# Altium PCB Board_Design.PcbDoc (part 3 of 3)
Units mil, origin at the board's own origin, x right, y up, seen from the top; angles counter-clockwise.
Board outline 5510 x 2520.05 mil, 4 copper layers (Top Layer, Power, Ground, Bottom Layer); 256 components, 212 nets, 1057 pads, 340 vias.
Unrouted connection lines stored in the file: 290.
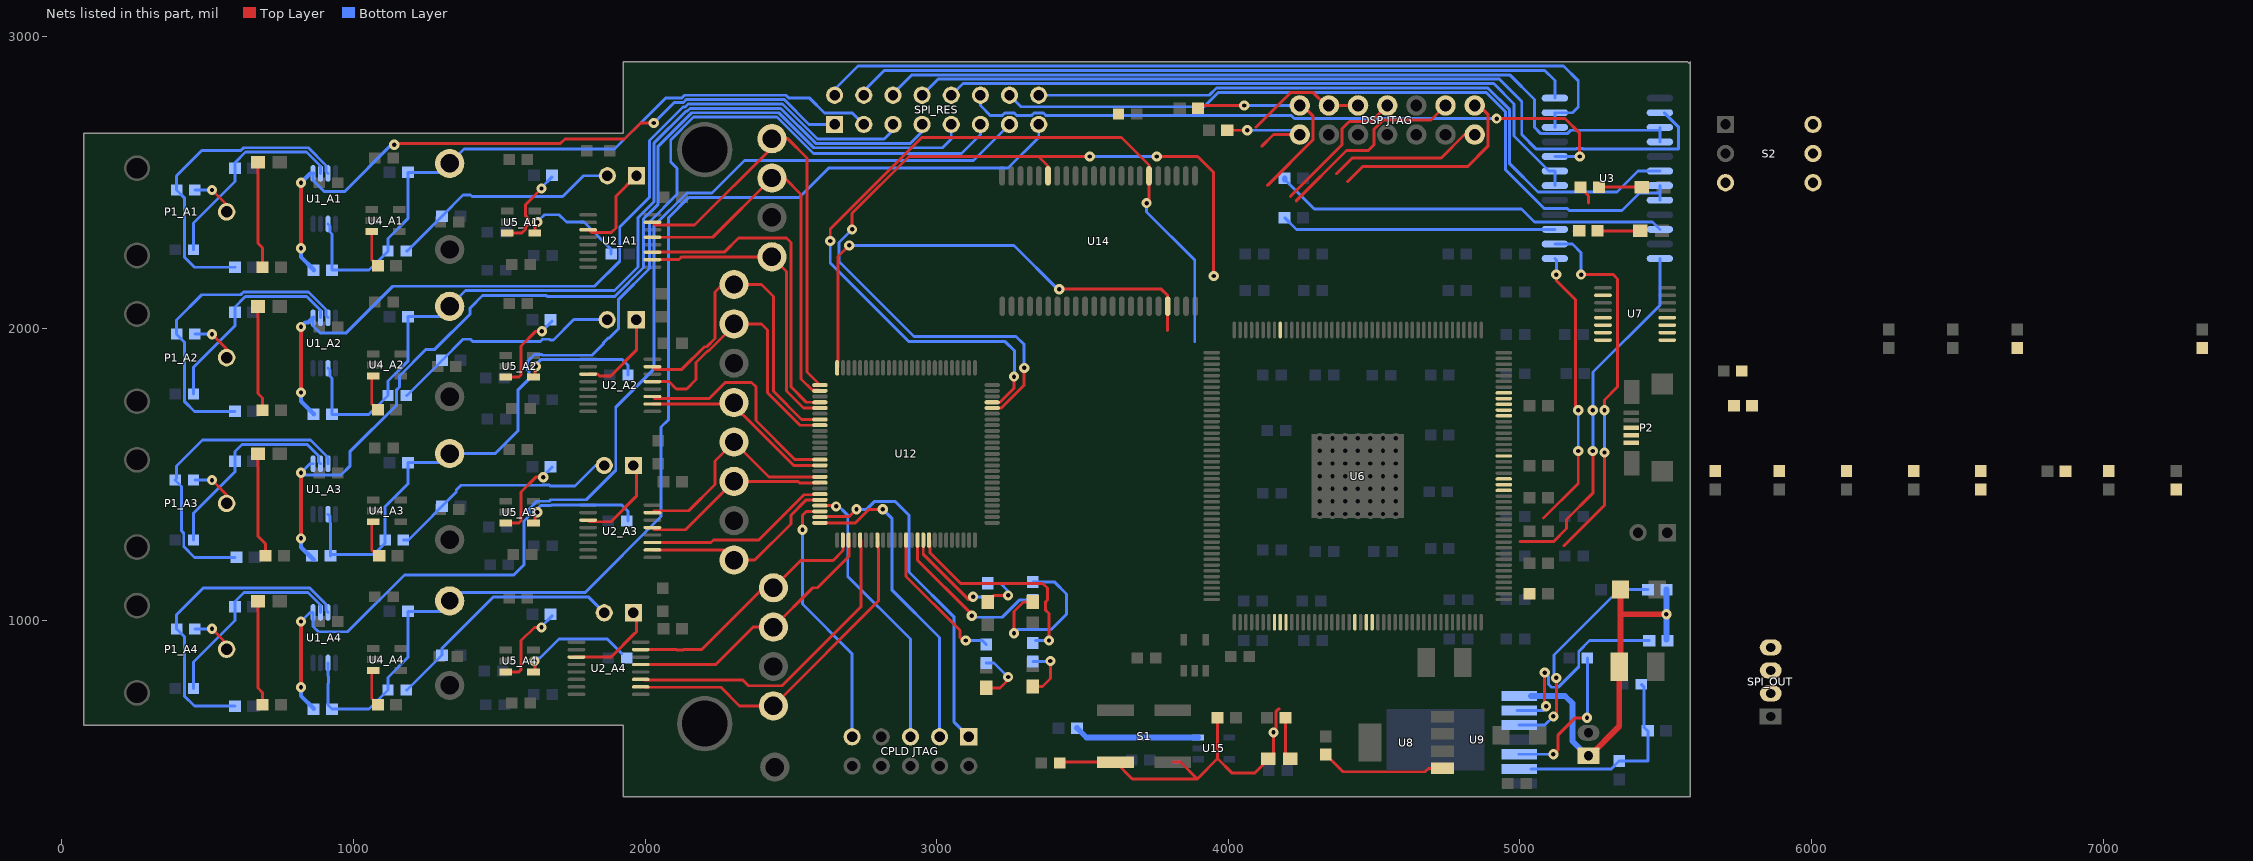
[diagram p5: the nets of this part, all layers, seen from the top]

## Via types
v1: diameter 35, hole 15, Top Layer to Bottom Layer, tented both sides, 339 vias
v2: diameter 35, hole 15, Top Layer to Bottom Layer, tented top, 1 vias

## Nets (pads, with @x,y where several pads share a name; then routed paths per layer and width w, separated by ;. In a path a pad name is that pad's centre, name@x,y a point inside that pad or via, vN(x,y) a via of type N, cw(c..) or ccw(c..) an arc to the next point about the centre after c; other vN are vias at no path point) (continued)
E\M\_\0\E\: U12.100 U14.41 | length 1720.4
  Top Layer w10: U12.100@2658.78,1865.28 2661.57,1868.07 2661.57,2246.57 v1(2700,2285) ; v1(3420,2135) 3770,2135 3792.22,2112.78 U14.41@3792.22,2076.5 3792.22,1992.78
  Bottom Layer w10: v1(2700,2285) 3265,2285 3415,2135 v1(3420,2135)
E\M\_\C\S\2\: U6.70 U12.72 U14.6 | length 3033.4
  Top Layer w10: v1(2635,2300) 2635,2341.21 2948.79,2655 3633.94,2655 3728.23,2560.71 U14.6@3728.23,2523.5 v1@3728.23,2430 ; U12.72@3190.28,1747.17 3217.17,1747.17 3265,1795 v1(3265,1835)
  Bottom Layer w10: v1(2635,2300) 2635,2225 2905,1955 3235,1955 3267.5,1922.5 3267.5,1837.5 v1(3265,1835) ; v1(3720,2430) 3720,2400 3885,2235 3885,1955
E\M\_\W\E\: U6.66 U12.71 U14.17 | length 2996.5
  Top Layer w10: v1(2710,2340) 2710,2395 2905,2590 3348.94,2590 ; U12.71@3190.28,1727.48 3221.27,1727.48 3300,1806.21 v1(3300,1865) ; U14.17@3381.77,2523.5 3381.77,2557.17 3348.94,2590 ; v1(3525,2590) 3348.94,2590 ; v1(3755,2590) 3895,2590 3950,2535 v1(3950,2180)
  Bottom Layer w10: v1(2710,2340) 2665,2295 2665,2230 2922.5,1972.5 3272.5,1972.5 3300,1945 v1(3300,1865) ; v1(3525,2590) v1(3755,2590)
EMU0: "DSP JTAG.13" R25.2 | length 715
  Top Layer w10: R25.2@3896.5,2755 3906.5,2765 v1(4055,2765) ; 4135,2491.36 4290,2646.36 4290,2730 4255,2765 4245,2765
  Bottom Layer w10: v1(4055,2765) 4245,2765
EMU1: "DSP JTAG.14" R26.2 | length 401.3
  Top Layer w10: R26.2@3996.5,2680 v1(4065,2680) ; 4115,2625 4155,2665 4245,2665
  Bottom Layer w10: v1(4065,2680) 4230,2680 4245,2665
EOC_1: U2_A1.11 U12.4 | length 1117.5
  Top Layer w10: U2_A1.11@2025.24,2261.83 2271.83,2261.83 2320,2310 2485,2310 2500,2295 2500,1800 2552.83,1747.17 U12.4@2599.72,1747.17
EOC_2: U2_A2.11 U12.14 | length 777.1
  Top Layer w10: U2_A2.11@2025.24,1766.83 2032.06,1760 2220,1760 2275,1815 2365,1815 2380,1800 2380,1685 2514.68,1550.32 U12.14@2599.72,1550.32
EOC_3: U2_A3.11 U12.20 | length 642.3
  Top Layer w10: U2_A3.11@2025.24,1266.32 2226.32,1266.32 2235,1275 2390,1275 2545,1430 U12.20@2599.72,1430
EOC_4: U2_A4.11 U12.30 | length 1091
  Top Layer w10: U2_A4.11@1998.85,795 2335,795 2355,775 2470,775 2740,1045 U12.30@2740,1274.72
NetC2_A1_2: C2_A1.2 R1_A1.2 U1_A1.2 | length 711.1
  Bottom Layer w10: C2_A1.2@451.5,2270.21 451.5,2361.71 593.5,2503.72 R1_A1.2@593.5,2550.21 593.5,2568.72 629.79,2605 839.17,2605 887.2,2556.97 U1_A1.2@887.2,2531.83
NetC2_A2_2: C2_A2.2 R1_A2.2 U1_A2.2 | length 710.7
  Bottom Layer w10: C2_A2.2@451.5,1775.73 451.5,1867.22 593.5,2009.23 R1_A2.2@593.5,2055.73 593.5,2074.23 629.27,2110 839.69,2110 887.2,2062.48 U1_A2.2@887.2,2037.34
NetC2_A3_2: C2_A3.2 R1_A3.2 U1_A3.2 | length 705.6
  Bottom Layer w10: C2_A3.2@451.5,1275.21 451.5,1366.5 593.5,1508.5 R1_A3.2@593.5,1545.21 593.5,1578.72 617.5,1602.71 841.57,1602.71 880.47,1563.81 880.47,1543.05 U1_A3.2@887.2,1536.32
NetC2_A4_2: C2_A4.2 R1_A4.2 U1_A4.2 | length 706.9
  Bottom Layer w10: C2_A4.2@451.5,765.21 451.5,856.71 593.5,998.72 R1_A4.2@593.5,1045.21 593.5,1063.72 624.79,1095 844.17,1095 887.2,1051.97 U1_A4.2@887.2,1026.83
NetC3_A1_1: C3_A1.1 P1_A1.1 | length 154.2
  Top Layer w10: v1(515,2475.21) 565,2425.21 P1_A1.1@565,2400.21
  Bottom Layer w10: C3_A1.1@456.5,2475.21 v1(515,2475.21)
NetC3_A1_2: C3_A1.2 R2_A1.1 U1_A1.3 | length 1085.3
  Bottom Layer w10: R2_A1.1@593.5,2210.21 455,2210.21 420,2245.21 420,2448.72 C3_A1.2@393.5,2475.21 393.5,2523.72 480,2610.21 613.79,2610.21 623.57,2620 845.39,2620 906.06,2559.32 906.06,2538.56 U1_A1.3@912.8,2531.83
NetC3_A2_1: C3_A2.1 P1_A2.1 | length 154.2
  Top Layer w10: v1(515,1980.73) 565,1930.73 P1_A2.1@565,1905.73
  Bottom Layer w10: C3_A2.1@456.5,1980.73 v1(515,1980.73)
NetC3_A2_2: C3_A2.2 R2_A2.1 U1_A2.3 | length 1084.9
  Bottom Layer w10: R2_A2.1@593.5,1715.73 455,1715.73 420,1750.73 420,1954.23 C3_A2.2@393.5,1980.73 393.5,2029.23 480,2115.73 613.79,2115.73 623.06,2125 845.9,2125 906.06,2064.84 906.06,2044.07 U1_A2.3@912.8,2037.34
NetC3_A3_1: C3_A3.1 P1_A3.1 | length 159.2
  Top Layer w10: v1(515,1480.21) 565,1430.21 P1_A3.1@565,1400.21
  Bottom Layer w10: C3_A3.1@456.5,1480.21 v1(515,1480.21)
NetC3_A3_2: C3_A3.2 R2_A3.1 U1_A3.3 | length 1084.1
  Bottom Layer w10: R2_A3.1@593.5,1215.21 455,1215.21 418.02,1252.2 418.19,1252.37 418.19,1298.06 410,1306.25 410,1458.72 C3_A3.2@388.5,1480.21 393.5,1485.21 393.5,1528.72 482.5,1617.71 852.67,1617.71 912.8,1557.59 U1_A3.3@912.8,1536.32
NetC3_A4_1: C3_A4.1 P1_A4.1 | length 154.2
  Top Layer w10: v1(515,970.21) 565,920.21 P1_A4.1@565,895.21
  Bottom Layer w10: C3_A4.1@456.5,970.21 v1(515,970.21)
NetC3_A4_2: C3_A4.2 R2_A4.1 U1_A4.3 | length 1081.2
  Bottom Layer w10: R2_A4.1@593.5,705.21 455,705.21 420,740.21 420,943.72 C3_A4.2@393.5,970.21 393.5,1018.72 484.79,1110 850.39,1110 906.06,1054.32 906.06,1033.56 U1_A4.3@912.8,1026.83
NetC4_A1_2: C4_A1.2 HP_A1.2 R3_A1.2 | length 800.7
  Bottom Layer w10: C4_A1.2@1181.5,2265.21 1183.5,2265.21 R3_A1.2@1303.5,2385.21 1376,2457.71 1401.39,2457.71 1406.6,2452.5 1717.5,2452.5 1788.9,2523.9 HP_A1.2@1870.73,2523.9
NetC4_A2_2: C4_A2.2 HP_A2.2 R3_A2.2 | length 794.5
  Bottom Layer w10: C4_A2.2@1181.5,1770.73 1183.5,1770.73 R3_A2.2@1303.5,1890.73 1376,1963.23 1401.39,1963.23 1408.89,1955.73 1641.11,1955.73 1648.61,1963.23 1671.39,1963.23 1673.89,1960.73 1685.73,1960.73 1755.73,2030.73 HP_A2.2@1860,2030.73
NetC4_A3_2: C4_A3.2 HP_A3.2 R3_A3.2 | length 800.4
  Bottom Layer w10: C4_A3.2@1171.5,1275.21 1188.5,1275.21 1352.5,1439.21 1352.5,1446.39 1368.61,1462.5 1648.4,1462.5 1648.61,1462.71 1671.39,1462.71 1673.89,1460.21 1760,1460.21 1830,1530.21 HP_A3.2@1860,1530.21
NetC4_A4_2: C4_A4.2 HP_A4.2 R3_A4.2 | length 847.3
  Bottom Layer w10: C4_A4.2@1181.5,760.21 1183.5,760.21 R3_A4.2@1303.5,880.21 1303.5,903.5 1480,1080 1805.21,1080 HP_A4.2@1860,1025.21
NetC8_A1_2: C8_A1.2 U5_A1.4 | length 368.8
  Top Layer w10: U5_A1.4@1622.24,2327.81 1622.24,2362.46 1624.79,2365 v1(1630,2365)
  Bottom Layer w10: v1@1630,2375.21 1640.21,2375.21 1655.21,2390.21 1705,2390.21 1730.21,2365 1790.21,2365 1883.5,2271.71 C8_A1.2@1883.5,2255.21
NetC8_A2_2: C8_A2.2 U5_A2.4 | length 396.3
  Top Layer w10: U5_A2.4@1622.24,1833.32 1622.24,1867.97 1624.27,1870 v1(1625,1870)
  Bottom Layer w10: v1@1630,1880.73 1642.5,1893.23 1922.5,1893.23 1941.5,1874.23 C8_A2.2@1941.5,1840.73
NetC8_A3_2: C8_A3.2 U5_A3.4 | length 403.6
  Top Layer w10: U5_A3.4@1622.24,1332.81 1622.24,1367.46 1624.79,1370 v1(1630,1370)
  Bottom Layer w10: v1@1630,1380.21 1642.5,1392.71 1677.6,1392.71 1680.1,1395.21 1920,1395.21 1941.5,1373.72 C8_A3.2@1941.5,1340.21
NetC8_A4_2: C8_A4.2 U5_A4.4 | length 389.8
  Top Layer w10: v1(1620,860) 1622.24,857.76 U5_A4.4@1622.24,822.81
  Bottom Layer w10: v1(1620,860) 1630.21,870.21 1640.21,870.21 1705,935 1870.21,935 C8_A4.2@1920,885.21
NetC48_2: C48.2 U9.5 | length 519.1
  Top Layer w10: v1(5115,540) 5130,555 5130,605 5190,665 v1(5230,665)
  Bottom Layer w10: U9.5@4997.6,540 v1(5115,540) ; v1(5230,665) 5231.5,666.5 C48.2@5231.5,870
NetC49_1: C49.1 R22.2 R23.1 U9.6 | length 686.6
  Bottom Layer w10: U9.6@5037.6,490 5313.5,490 R22.2@5340,516.5 5440,516.5 5440,618.5 R23.1@5438.5,620 5425,633.5 5425,771.5 C49.1@5416.5,780
NetC56_2: C56.2 P2.2 R20.1 R40.2
NetC59_1: C59.1 P2.3 R41.2 R42.2
NetD1_A1_2: D1_A1.2 R7_A1.2 | length 366.6
  Top Layer w10: D1_A1.2@672.6,2570.21 672.6,2292.62 688.5,2276.71 R7_A1.2@688.5,2210.21
NetD1_A2_2: D1_A2.2 R7_A2.2 | length 362.1
  Top Layer w10: D1_A2.2@672.6,2075.73 672.6,1777.62 688.5,1761.71 R7_A2.2@688.5,1720.21
NetD1_A3_2: D1_A3.2 R7_A3.2 | length 360.7
  Top Layer w10: D1_A3.2@672.6,1570.21 672.6,1287.62 698.5,1261.71 R7_A3.2@698.5,1220.21
NetD1_A4_2: D1_A4.2 R7_A4.2 | length 362.1
  Top Layer w10: D1_A4.2@672.6,1065.21 672.6,767.1 688.5,751.2 R7_A4.2@688.5,709.7
NetD2_2: D2.2 R34.1 | length 146.1
  Top Layer w10: R34.1@5271.5,2485 D2.2@5417.6,2485
NetD3_2: D3.2 R35.2 | length 189.9
  Top Layer w10: D3.2@3330,772.6 3362.6,772.6 3390,800 v1(3390,860)
  Bottom Layer w10: R35.2@3330,858.5 v1@3388.5,858.5
NetD4_2: D4.2 R12.2 | length 146.6
  Top Layer w10: R12.2@4196.5,665.21 4196.5,541.12 D4.2@4212.4,525.21
NetD5_2: D5.2 R24.1 | length 146.1
  Top Layer w10: R24.1@5266.5,2335 D5.2@5412.6,2335
NetD6_2: D6.2 R36.2 | length 175.3
  Top Layer w10: D6.2@3175,1062.4 3197.6,1085 v1(3245,1085)
  Bottom Layer w10: R36.2@3175,1126.5 3218.5,1126.5 3245,1100 v1(3245,1085)
NetD7_2: D7.2 R37.2 | length 562.5
  Top Layer w10: v1(3265,955) 3265,1030 3297.4,1062.4 D7.2@3330,1062.4
  Bottom Layer w10: v1(3265,955) 3277.62,967.62 3392.62,967.62 3445,1020 3445,1090 3403.5,1131.5 R37.2@3330,1131.5
NetD8_2: D8.2 R38.1 | length 191.4
  Top Layer w10: D8.2@3170,767.6 3217.6,767.6 3245,795 v1(3245,805)
  Bottom Layer w10: R38.1@3170,853.5 3196.5,853.5 v1(3245,805)
NetD9_2: R14.2
NetHP_A1_1: HP_A1.1 U2_A1.3 | length 312.9
  Top Layer w10: U2_A1.3@1804.76,2338.6 1807.46,2338.6 1816.06,2330 1885,2330 1900,2345 1900,2453.9 HP_A1.1@1970,2523.9
NetHP_A2_1: HP_A2.1 U2_A2.3 | length 309.1
  Top Layer w10: U2_A2.3@1804.76,1843.6 1837.51,1843.6 1843.61,1837.5 1882.29,1837.5 1970,1925.21 HP_A2.1@1970,2030.21
NetHP_A3_1: HP_A3.1 U2_A3.3 | length 308.7
  Top Layer w10: U2_A3.3@1804.76,1343.09 1810.35,1337.5 1882.8,1337.5 1970,1424.7 HP_A3.1@1970,1529.7
NetHP_A4_1: HP_A4.1 U2_A4.3 | length 310.9
  Top Layer w10: U2_A4.3@1755,873.09 1883.39,873.09 1965,954.7 1970,959.7 HP_A4.1@1970,1019.7
NetP2_1: P2.1 R27.1
NetR5_A1_1: R5_A1.1 U4_A1.3 | length 126.2
  Top Layer w10: U4_A1.3@1062.76,2332.81 1062.76,2235.96 R5_A1.1@1083.5,2215.21
NetR5_A2_1: R5_A2.1 U4_A2.3 | length 126.2
  Top Layer w10: U4_A2.3@1062.76,1838.32 1062.76,1741.47 R5_A2.1@1083.5,1720.73
NetR5_A3_1: R5_A3.1 U4_A3.3 | length 126.2
  Top Layer w10: U4_A3.3@1062.76,1337.81 1062.76,1240.96 R5_A3.1@1083.5,1220.21
NetR5_A4_1: R5_A4.1 U4_A4.3 | length 126.2
  Top Layer w10: U4_A4.3@1062.76,827.81 1062.76,730.96 R5_A4.1@1083.5,710.21
NetR8_A1_1: R8_A1.1 U5_A1.3 | length 293
  Top Layer w10: U5_A1.3@1527.76,2327.81 1577.4,2327.81 1590.59,2341 1590.59,2348.17 1600,2357.58 1600,2377.25 1590.59,2386.66 1590.59,2425.8 v1(1645,2480.21)
  Bottom Layer w10: v1(1645,2480.21) 1645,2483.72 R8_A1.1@1681.5,2520.21
NetR8_A2_1: R8_A2.1 U5_A2.3 | length 301.3
  Top Layer w10: U5_A2.3@1522.76,1833.32 1568.11,1833.32 1575,1840.21 1575,1940.21 1625.51,1990.73 v1(1646.19,1990.73)
  Bottom Layer w10: v1@1643.25,1987.48 R8_A2.1@1681.5,2025.73
NetR8_A3_1: R8_A3.1 U5_A3.3 | length 305.8
  Top Layer w10: U5_A3.3@1522.76,1332.81 1568.11,1332.81 1575,1339.7 1575,1439.7 1625.51,1490.21 v1(1650.68,1490.21)
  Bottom Layer w10: v1@1643.25,1486.97 R8_A3.1@1681.5,1525.21
NetR8_A4_1: R8_A4.1 U5_A4.3 | length 298
  Top Layer w10: U5_A4.3@1522.76,822.81 1568.11,822.81 1575,829.7 1575,929.7 1620.51,975.21 v1(1645,975.21)
  Bottom Layer w10: v1@1643.25,976.97 R8_A4.1@1681.5,1015.21
NetR9_2: R9.2 U3.10 | length 1361.2
  Bottom Layer w10: R9.2@4193.5,2511.5 4295,2410 5005,2410 5050,2365 5455.12,2365 U3.10@5480.12,2340
  Bottom Layer w20: R9.2@4193.5,2511.5 R9.2@4193.5,2515
NetR10_2: R10.2 R21.1 U9.3 | length 768.7
  Top Layer w10: v1(5115,670) 5125,680 v1(5125,802.07)
  Bottom Layer w10: U9.3@4997.6,640 5085,640 v1(5115,670) ; v1@5116.5,793.5 5116.5,880 R21.1@5341.5,1105 R10.2@5439.49,1105
NetR13_2: R13.2 U8.1 | length 428.1
  Top Layer w10: R13.2@4335,538.5 4393.5,480 4675,480 4686.63,491.63 U8.1@4734.02,491.63
NetR15_1: R15.1 S2.6
NetR16_1: R16.1 S2.5
NetR17_2: R17.2 U9.2 | length 713.4
  Top Layer w10: v1(5085,820) 5085,710 v1(5090,705)
  Bottom Layer w10: U9.2@4990,690 U9.2@4997.6,690 5080,690 v1@5090,700 ; v1(5085,820) 5097.5,807.5 5097.5,780.68 5108.18,770 5131.82,770 5201.81,839.99 5201.81,892.84 5238.97,930 R17.2@5443.5,930
NetR24_2: R24.2 U6.65 | length 18.5
  Top Layer w10: R24.2@5185,2335 R24.2@5203.5,2335
NetR34_2: R34.2 U6.64 | length 66
  Top Layer w10: R34.2@5208.5,2485 5208.5,2481.5 5235,2455 5235,2430
NetR35_1: R35.1 U12.42 | length 732.5
  Top Layer w10: U12.42@2973.74,1274.72 2976.54,1271.93 2976.54,1232.25 3083.79,1125 3365,1125 3380,1110 3380,1068.89 3372.5,1061.39 3372.5,1035.68 3385,1023.18 v1(3385,930)
  Bottom Layer w10: R35.1@3338.5,930 v1(3385,930)
NetR36_1: R36.1 U12.41 | length 336.1
  Top Layer w10: U12.41@2954.06,1274.72 2954.06,1225.94 3110,1070 3120,1080 v1(3125,1080)
  Bottom Layer w10: v1(3125,1080) 3158.5,1080 R36.1@3168.5,1070
NetR37_1: R37.1 U12.40 | length 600
  Top Layer w10: U12.40@2934.37,1274.72 2934.37,1205.63 3120,1020 v1(3120,1015)
  Bottom Layer w10: v1(3120,1015) 3120,1020 3110,1010 3225,1010 3283.5,1068.5 R37.1@3330,1068.5
NetR38_2: R38.2 U12.38 | length 511.1
  Top Layer w10: U12.38@2895,1274.72 2895,1150 3080,965 3080,940 3090,930 v1(3100,930)
  Bottom Layer w10: v1(3100,930) 3156.5,930 R38.2@3170,916.5
NetR39_2: R39.2 U15.3 | length 428.9
  Bottom Layer w20: R39.2@3481.5,630 3514.09,597.4 U15.3@3896.85,597.4
NetR44_2: R44.2 U7.7
NetR45_2: R45.2 U7.6
R\S\T\: C9.1 D4.1 R11.2 S1.3 U6.124 | length 1243.3
  Top Layer w10: C9.1@3424.54,513.05 S1.3@3613.15,513.05 3670.98,455.21 3893.5,455.21 ; 3810,513.05 3835.67,513.05 3893.5,455.21 ; R11.2@3963.5,665.21 3963.5,525.21 ; 4174.9,694.9 4171.68,694.9 4164.17,687.39 4164.17,624.17 v1(4155,615) 4155,542.62 D4.1@4137.6,525.21 4137.6,522.81 4090,475.21 4013.5,475.21 3963.5,525.21 ; 3893.5,455.21 3963.5,525.21
R\S\T\_\P\O\T\: R6.1 U3.15 | length 942.9
  Bottom Layer w10: R6.1@4193.5,2380 4233.5,2340 U3.15@5119.88,2340
RGA_1: DNP_A1.1 SPI_RES.1 U1_A1.1 | length 2366
  Top Layer w10: v1(1140,2630) 1145,2635 1710,2635 1725,2650 1930,2650 1985,2705 v1(2030,2705)
  Top Layer w15: v1(820,2275.21) v1(820,2500.21)
  Bottom Layer w10: U1_A1.1@861.61,2531.83 861.61,2508.39 899.79,2470.21 970.21,2470.21 1130,2630 v1(1140,2630) ; v1(2030,2705) 2100,2775 2131.36,2775 2141.36,2785 2477.43,2785 2562.43,2700 SPI_RES.1@2650,2700
  Bottom Layer w15: v1(820,2275.21) 820,2245.21 863.5,2201.71 DNP_A1.1@863.5,2200.21 ; v1(820,2500.21) 851.61,2531.83 U1_A1.1@861.61,2531.83
RGA_1I: SPI_RES.2 U3.22 U3.23 | length 2852.3
  Bottom Layer w10: SPI_RES.2@2650,2800 2650,2820 2730,2900 5150,2900 5200,2850 5200,2760 5180,2740 U3.23@5119.88,2740 U3.22@5119.88,2690
RGA_2: DNP_A2.1 SPI_RES.5 U1_A2.1 | length 2989.1
  Top Layer w15: v1(820,1780.73) v1(820,2005.73)
  Bottom Layer w10: U1_A2.1@861.61,2036.83 861.61,2008.6 885,1985.21 975.21,1985.21 1135,2145 1827.13,2145 1913.19,2231.06 1913.19,2348.19 2015,2450 2015,2645 2130,2760 2137.57,2760 2147.57,2770 2471.21,2770 2591.21,2650 2820,2650 2850,2680 SPI_RES.5@2850,2700
  Bottom Layer w15: v1(820,1780.73) 820,1750.73 863.5,1707.22 DNP_A2.1@863.5,1705.73 ; v1(820,2005.73) 835,2020.73 845,2020.73 U1_A2.1@861.61,2037.34
RGA_2I: SPI_RES.6 U3.3 U3.4 | length 2856.2
  Bottom Layer w10: SPI_RES.6@2850,2800 2850,2805 2915,2870 4965,2870 5050,2785 5050,2690 5071.81,2668.19 5162.38,2668.19 5174.19,2680 U3.3@5480.12,2680 ; U3.4@5480.12,2640 U3.3@5480.12,2680 ; U3.3@5480.12,2690 U3.3@5480.12,2680
RGA_3: DNP_A3.1 SPI_RES.9 U1_A3.1 | length 3541.8
  Top Layer w15: v1(820,1280.21) v1(820,1505.21)
  Bottom Layer w10: U1_A3.1@861.61,1536.32 851.1,1536.32 v1(820,1505.21) 827.44,1497.77 957.77,1497.77 987.5,1527.5 987.5,1577.5 1148.19,1738.19 1148.19,1789.95 1157.67,1799.43 1157.67,1837.67 1248.69,1928.69 1278.69,1928.69 1400.2,2050.2 1400.2,2070.41 1443.01,2113.23 1661.39,2113.23 1664.62,2110 1896.21,2110 1995,2208.79 1995,2376.43 2045,2426.43 2045,2625 2160,2740 2458.79,2740 2578.79,2620 3020,2620 3050,2650 SPI_RES.9@3050,2700
  Bottom Layer w15: v1(820,1280.21) 820,1250.21 DNP_A3.1@863.5,1206.71
RGA_3I: SPI_RES.10 U3.18 U3.19 | length 2325.2
  Bottom Layer w10: SPI_RES.10@3050,2800 3090,2840 4910,2840 4980,2770 4980,2660 5100,2540 U3.19@5119.88,2540 U3.18@5119.88,2490
RGA_4: DNP_A4.1 SPI_RES.13 U1_A4.1 | length 4051.3
  Top Layer w15: v1(820,770.21) v1(820,995.21)
  Bottom Layer w10: v1(820,995.21) 851.1,1026.32 U1_A4.1@861.61,1026.32 861.61,978.6 880,960.21 980,960.21 1174.79,1155 1550,1155 1585,1190 1585,1340 1602.5,1357.5 1602.5,1381.39 1628.82,1407.71 1671.39,1407.71 1676.39,1412.71 1798.4,1412.71 1899.53,1513.84 1899.53,1729.74 2030,1860.21 2030,2351.21 2143.79,2465 2230,2465 2340.98,2575.98 3125.98,2575.98 SPI_RES.13@3250,2700
  Bottom Layer w15: v1(820,770.21) 820,740.21 DNP_A4.1@863.5,696.71
RGA_4I: SPI_RES.14 U3.7 U3.8 | length 2625.9
  Bottom Layer w10: SPI_RES.14@3250,2800 3289.53,2760.47 3916.69,2760.47 3966.21,2810 4883.79,2810 4950,2743.79 4950,2545 5083.19,2411.81 5162.38,2411.81 5169.19,2405 5350,2405 5410,2465 5480,2465 ; U3.8@5480.12,2440 U3.7@5480.12,2490
RGB_1: "INSTR AMP_A1.1" C4_A1.1 DNP_A1.2 R4_A1.2 SPI_RES.3 U1_A1.6 | length 2400.8
  Bottom Layer w10: U1_A1.6@912.8,2358.6 919.53,2351.87 919.53,2331.1 926.5,2324.14 DNP_A1.2@926.5,2200.21 1053.5,2200.21 C4_A1.1@1118.5,2265.21 1118.5,2308.72 1186.5,2376.71 R4_A1.2@1186.5,2535.21 1304.02,2535.21 1335,2566.2 ; 1330,2566.2 1379.02,2615.21 1895.21,2615.21 2070,2790 2125.15,2790 2135.15,2800 2483.64,2800 2493.64,2790 2565,2790 2615.47,2739.53 2710.47,2739.53 SPI_RES.3@2750,2700
RGB_1I: SPI_RES.4 U3.24 | length 2488.4
  Bottom Layer w10: SPI_RES.4@2750,2800 2750,2815 2820,2885 5085,2885 5119.88,2850.12 U3.24@5119.88,2790
RGB_2: "INSTR AMP_A2.1" C4_A2.1 DNP_A2.2 R4_A2.2 SPI_RES.7 U1_A2.6 | length 3103.6
  Bottom Layer w10: U1_A2.6@912.8,1864.11 919.53,1857.38 919.53,1836.1 926.5,1829.14 DNP_A2.2@926.5,1705.73 1053.5,1705.73 C4_A2.1@1118.5,1770.73 1118.5,1819.72 1186.5,1887.71 R4_A2.2@1186.5,2040.73 1304.02,2040.73 1365,2101.71 1365,2111.2 ; 1330,2076.2 1383.8,2130 1895,2130 1976.18,2211.18 1976.18,2380.18 2030,2434 2030,2635 2140,2745 2143.79,2745 2153.79,2755 2465,2755 2585,2635 2910,2635 2950,2675 SPI_RES.7@2950,2700
RGB_2I: SPI_RES.8 U3.2 | length 2929
  Bottom Layer w10: SPI_RES.8@2950,2800 3005,2855 4930,2855 5006.38,2778.62 5006.38,2665 5056.38,2615 5191.11,2615 5193.61,2617.5 5216.39,2617.5 5218.89,2615 5543.19,2615 5543.19,2691.81 U3.2@5495,2740
RGB_3: "INSTR AMP_A3.1" C4_A3.1 DNP_A3.2 R4_A3.2 SPI_RES.11 U1_A3.6 | length 3629.3
  Bottom Layer w10: U1_A3.6@912.8,1363.09 919.53,1356.36 919.53,1335.59 921.5,1333.62 DNP_A3.2@921.5,1220.21 ; DNP_A3.2@927.8,1225.13 1069.91,1225.13 1108.5,1263.72 C4_A3.1@1108.5,1275.21 1108.5,1388.72 1186.5,1466.71 R4_A3.2@1186.5,1540.21 1291.48,1540.21 1291.48,1571.69 ; 1329.51,1571.69 1330,1572.18 1330,1571.2 1486.2,1571.2 1565,1650 1565,1790 1602.55,1827.55 1602.55,1853.56 1597.5,1858.61 1597.5,1887.5 1620.73,1910.73 1646.11,1910.73 1648.61,1908.23 1818.01,1908.23 1857.5,1947.71 1857.5,1951.39 1873.61,1967.5 1877.29,1967.5 1909.53,1999.74 1909.53,2100.32 2015,2205.79 2015,2365.21 2110,2460.21 2110,2549.46 2088.11,2571.35 2088.11,2646.89 2166.21,2725 2452.57,2725 2577.57,2600 3085,2600 3150,2665 SPI_RES.11@3150,2700 ; 1330,1607.55 1330,1614.02
RGB_3I: SPI_RES.12 U3.20 | length 2310.3
  Top Layer w10: v1(4920,2720) 5155,2720 5205,2670 v1(5205,2590)
  Bottom Layer w10: SPI_RES.12@3150,2800 3150,2765 3185,2730 3224.1,2730 3233.63,2739.53 3266.37,2739.53 3275.9,2730 3324.1,2730 3333.63,2739.53 3366.37,2739.53 3375.9,2730 4216.36,2730 4226.36,2720 v1(4920,2720) ; U3.20@5119.88,2590 v1(5205,2590)
RGB_4: "INSTR AMP_A4.1" C4_A4.1 DNP_A4.2 R4_A4.2 SPI_RES.15 U1_A4.6 | length 4152.8
  Bottom Layer w10: U1_A4.6@912.8,853.6 912.8,808.51 914.7,806.6 914.7,783.82 912.8,781.91 912.8,708.91 DNP_A4.2@926.5,695.21 1053.5,695.21 C4_A4.1@1118.5,760.21 1118.5,803.72 1186.5,871.71 R4_A4.2@1186.5,1030.21 1304.02,1030.21 1335,1061.2 ; 1330,1066.2 1359.02,1095.21 1795,1095.21 2055,1355.21 2055,1662.03 2080,1687.03 2080,2380 2150,2450 2530,2450 2630,2550 3245,2550 3350,2655 SPI_RES.15@3350,2700
RGB_4I: SPI_RES.16 U3.6 | length 2426.4
  Bottom Layer w10: SPI_RES.16@3350,2800 3935,2800 3960,2825 4890,2825 4965,2750 4965,2565 5061.81,2468.19 5333.19,2468.19 5405,2540 U3.6@5480.12,2540
SCK_POT: U3.14 U6.10 | length 1304.9
  Top Layer w10: 5151.21,1255 5290,1393.79 v1(5290,1575) ; v1(5210,2185) 5320,2185 5335,2170 5335,1800 5290,1755 v1(5290,1720)
  Bottom Layer w10: U3.14@5119.88,2290 5180,2290 5210,2260 v1(5210,2185) ; v1(5290,1575) v1(5290,1720) v1@5290,1725
SCK_TB: SPI_OUT.4 U6.22 U7.2
SIMO_POT: U3.12 U6.8 | length 1236.8
  Top Layer w10: 5000,1270 5115.99,1270 5160,1314.01 5160,1345 5250,1435 v1(5250,1580)
  Bottom Layer w10: v1(5250,1580) v1(5250,1720) 5251.18,1721.18 5251.18,1851.18 5480.12,2080.12 U3.12@5480.12,2240
SIMO_TB: SPI_OUT.3 U6.24 U7.9
SOMI_POT: U3.13 U6.9 | length 972.5
  Top Layer w10: 5080.99,1350 5200,1469.01 v1(5200,1580) ; v1(5125,2185) 5125,2165 5190,2100 5190,1730 v1(5200,1720)
  Bottom Layer w10: U3.13@5119.88,2240 5125,2234.88 v1(5125,2185) ; v1(5200,1580) v1(5200,1720)
SOMI_TB: SPI_OUT.2 U6.25 U7.8
SPI_CE1: CE1.1 U2_A1.10 U12.5 | length 1033.3
  Top Layer w10: U2_A1.10@2025.24,2236.24 2116.24,2236.24 2125.98,2245.98 CE1.1@2435,2245.98 2485,2195.98 2485,1786.21 2543.73,1727.48 U12.5@2599.72,1727.48
SPI_CE2: CE2.1 U2_A2.10 U12.15 | length 675.9
  Top Layer w10: U2_A2.10@2025.24,1741.24 CE2.1@2300.25,1741.24 ; CE2.1@2305,1745.98 2305,1735 2510,1530 U12.15@2610,1530
SPI_CE3: CE3.1 U2_A3.10 U12.21 | length 692
  Top Layer w10: U2_A3.10@2025.24,1240.73 2270.26,1240.73 CE3.1@2305,1205.98 2375.98,1205.98 2500,1330 2500,1360 2552.52,1412.52 U12.21@2599.72,1412.52
SPI_CE4: CE4.1 U2_A4.10 U12.33 | length 1188.2
  Top Layer w10: U2_A4.10@1998.24,770 2260,770 2324.02,705.98 CE4.1@2440,705.98 2800,1065.98 2800,1247.41 2799.37,1248.04 2799.37,1270.35 U12.33@2795,1274.72
SPI_MISO1: MISO1.1 U2_A1.13 U12.2 | length 1331.3
  Top Layer w10: U2_A1.13@2025.24,2313.01 2232.02,2313.01 MISO1.1@2435,2515.98 2479.02,2515.98 2535,2460 2535,1827.37 2573.04,1789.33 2596.93,1789.33 U12.2@2599.72,1786.54
SPI_MISO2: MISO2.1 U2_A2.13 U12.8 | length 985.4
  Top Layer w10: U2_A2.13@2025.24,1818.01 2081.99,1818.01 2107.29,1792.71 2142.71,1792.71 2175,1825 2175,1883.79 2213.71,1922.5 2217.6,1922.5 2305,2009.9 MISO2.1@2305,2015.98 2399.02,2015.98 2420,1995 2420,1780 2531.57,1668.43 U12.8@2599.72,1668.43
SPI_MISO3: MISO3.1 U2_A3.13 U12.18 | length 648.8
  Top Layer w10: U2_A3.13@2025.24,1317.5 2032.73,1310 2139.02,1310 MISO3.1@2305,1475.98 2524.02,1475.98 2530,1470 U12.18@2599.72,1470
SPI_MISO4: MISO4.1 U2_A4.13 U12.28 | length 923.9
  Top Layer w10: U2_A4.13@1985.24,847.8 1985.53,847.5 2242.5,847.5 2370.98,975.98 MISO4.1@2440,975.98 2575,1110.98 2590.98,1110.98 2700,1220 U12.28@2700,1274.72
SPI_MOSI1: MOSI1.1 U2_A1.12 U12.3 | length 1169.3
  Top Layer w10: U2_A1.12@2025.24,2287.42 2222.42,2287.42 2233.01,2298.01 2238.24,2298.01 2321.21,2380.98 MOSI1.1@2435,2380.98 2459.02,2380.98 2515,2325 2515,1810 2558.15,1766.85 U12.3@2599.72,1766.85
SPI_MOSI1: 
SPI_MOSI2: MOSI2.1 U2_A2.12 U12.12 | length 796.3
  Top Layer w10: U2_A2.12@2025.24,1792.42 2082.58,1792.42 2100,1775 2199.02,1775 MOSI2.1@2305,1880.98 2370,1880.98 2405,1845.98 2405,1760.52 2573.04,1592.48 2596.93,1592.48 U12.12@2599.72,1589.68
SPI_MOSI2: 
SPI_MOSI3: MOSI3.1 U2_A3.12 U12.19 | length 640.8
  Top Layer w10: U2_A3.12@2025.24,1291.91 2161.91,1291.91 2210.98,1340.98 MOSI3.1@2305,1340.98 2395.98,1340.98 2506.89,1451.89 U12.19@2599.72,1451.89
SPI_MOSI3: 
SPI_MOSI4: MOSI4.1 U2_A4.12 U12.29 | length 1015.8
  Top Layer w10: U2_A4.12@1985.24,822.2 2421.22,822.2 MOSI4.1@2440,840.98 2445.98,840.98 2720,1115 U12.29@2720,1274.72
SPI_MOSI4: 
SPI_SCK1: SCK1.1 U2_A1.15 U12.1 | length 1499
  Top Layer w10: U2_A1.15@2025.24,2364.19 2034.43,2355 2170,2355 2435,2620 SCK1.1@2435,2650.98 2489.02,2650.98 2555,2585 2555,1850.94 U12.1@2599.72,1806.22
SPI_SCK2: SCK2.1 U2_A2.15 U12.7 | length 1174
  Top Layer w10: U2_A2.15@2025.24,1869.19 2034.43,1860 2126.11,1860 2203.61,1937.5 2211.39,1937.5 2240,1966.11 2240,2125 2265.98,2150.98 SCK2.1@2305,2150.98 2399.02,2150.98 2440,2110 2440,1785 2536.89,1688.11 U12.7@2599.72,1688.11
SPI_SCK3: SCK3.1 U2_A3.15 U12.17 | length 771.9
  Top Layer w10: U2_A3.15@2025.24,1368.68 2031.56,1375 2150,1375 2240,1465 2240,1545.98 SCK3.1@2305,1610.98 2424.72,1491.26 U12.17@2599.72,1491.26
SPI_SCK4: SCK4.1 U2_A4.15 U12.27 | length 861.4
  Top Layer w10: U2_A4.15@1995,898.68 2107.43,898.68 2108.61,897.5 2131.39,897.5 2132.57,898.68 2193.68,898.68 2405.98,1110.98 SCK4.1@2440,1110.98 2534.02,1205 2645,1205 2678.46,1238.46 U12.27@2678.46,1274.72
T\R\S\T\: R28.2 S2.3 U6.79
T\R\S\T\_JTAG: "DSP JTAG.2" S2.4 | length 529.8
  Top Layer w10: 4370.79,2530.79 4425,2585 4730,2585 4810,2665 4845,2665
TCK: "DSP JTAG.9" "DSP JTAG.11" U6.81 | length 418.1
  Top Layer w10: 4095.2,2690.2 4215,2810 4290,2810 4335,2765 4345,2765 4445,2765
TCK_CPLD: "CPLD JTAG.1" U12.24 | length 1209.2
  Top Layer w10: U12.24@2596.26,1355 2700,1355 v1(2725,1380) ; 3100,610 3110,600
  Bottom Layer w10: v1(2725,1380) 2760,1380 2787.5,1407.5 2857.5,1407.5 2905,1360 2905,1165 3060,1010 3060,650 3110,600
TD0: "DSP JTAG.7" U6.78 | length 493
  Top Layer w10: 4213.31,2453.31 4390,2630 4390,2685 4415,2710 4490,2710 4545,2765
TDI: "DSP JTAG.3" U6.77 | length 678.9
  Top Layer w10: 4232.99,2437.99 4405,2610 4480,2610 4500,2630 4500,2683.64 4531.36,2715 4695,2715 4745,2765
TDI_CPLD: "CPLD JTAG.9" U12.23 | length 895.6
  Top Layer w10: v1(2540,1310) 2540,1360 2553.15,1373.15 U12.23@2599.72,1373.15
  Bottom Layer w10: v1(2540,1310) 2540,1055 2710,885 2710,600
TDO_CPLD: "CPLD JTAG.3" U12.25 | length 1095.2
  Top Layer w10: U12.25@2599.72,1333.78 2721.73,1333.78 2767.95,1380 v1(2815,1380)
  Bottom Layer w10: v1(2815,1380) 2847.5,1347.5 2847.5,1102.5 3010,940 3010,600
TMS: "DSP JTAG.1" U6.80 | length 699.2
  Top Layer w10: 4408.57,2503.57 4460,2555 4820,2555 4890,2625 4890,2735 4860,2765 4845,2765
TMS_CPLD: "CPLD JTAG.5" U12.22 | length 972.1
  Top Layer w10: U12.22@2599.72,1392.83 2652.17,1392.83 v1(2655,1390)
  Bottom Layer w10: v1(2655,1390) 2655,1400 2695,1360 2695,1150 2910,935 2910,600
VBUS: R27.2 R43.2 U7.10
VIN: C10.1 C47.1 P3.1 R10.1 R17.1 U9.1 | length 1301.1
  Top Layer w20: P3.1@5235,530 5340.79,635.79 C10.1@5340.79,840 ; C10.1@5345,844.21 5345,1020 ; C47.1@5345,1105 5345,1020 ; v1@5500,1020 5345,1020
  Bottom Layer w20: U9.1@5037.6,740 5155,740 5180,715 5180,585 P3.1@5235,530 ; R17.1@5502.48,934.02 R10.1@5502.48,1105
  other v1: 5502.48,1020
VOUT3V3: R42.1 U7.5 U7.11 U7.12
pads on no net: "CPLD JTAG.6" "CPLD JTAG.7" "CPLD JTAG.8" "DSP JTAG.6" P2.4 U1_A1.8 U1_A2.8 U1_A3.8 U1_A4.8 U2_A1.8 U2_A2.8 U2_A3.8 U2_A4.8 U6.13 U6.14 U6.17 U6.18 U6.19 U6.27 U6.28 U6.29 U6.30 U6.31 U6.32 U6.33 U6.35 U6.37 U6.38 U6.39 U6.40 U6.41 U6.42 U6.43 U6.44 U6.45 U6.46 U6.47 U6.48 U6.49 U6.50 U6.51 U6.53 U6.55 U6.56 U6.57 U6.58 U6.59 U6.60 U6.63 U6.67 U6.69 U6.71 U6.73 U6.74 U6.83 U6.84 U6.92 U6.103 U6.104 U6.105 U6.107 U6.108 U6.109 U6.110 U6.111 U6.112 U6.118 U6.121 U6.130 U6.131 U6.132 U6.133 U6.156 U6.157 U6.160 U6.161 U6.162 U6.163 U6.164 U6.165 U6.166 U6.167 U6.170 U6.171 U6.172 U6.173 U6.174 U6.175 U6.176 U7.1 U8.2 U12.35 U12.36 U12.73 U12.74 U12.75 U13.4 U14.28 U15.4
copper on no net: | length 10.9
  Top Layer w10: 5373.28,1677.87 5381,1685.59

## Polygon pours and split planes (outlines as drawn)
4.2V_A4 on Power "4.2V_A4" (solid, remove dead copper, shelved, pour order 36): 157.09,1145.1 2090,1145.1 2090,685.1 157.09,685.1 157.09,1145.1
4.2V_A3 on Power "4.2V_A3" (solid, remove dead copper, shelved, pour order 31): 155,1640.21 2090,1640.21 2090,1160.21 155,1160.21 155,1640.21
4.2V_A1 on Power "4.2V_A1" (solid, remove dead copper, shelved, pour order 23): 150,2640.21 2090,2640.21 2090,2160.21 155,2160.21 155,2635.21 150,2640.21
4.2V_A2 on Power "4.2V_A2" (solid, remove dead copper, shelved, pour order 27): 155,2140.21 2090,2140.21 2090,1660.21 155,1660.21 155,2140.21
1.2VD on Power "1.4V" (solid, remove dead copper, shelved, pour order 30): 4020,2000 4025,2005 4820,2005 4820,1205 4020,1205 4020,2005
3.3VD on Power "3.3VD" (solid, remove dead copper, shelved, pour order 34): 2105,2905 5575,2905 5575,405 2100,405 2100,2900 2105,2905
DGND on Ground "DGND" (solid, remove dead copper, shelved, pour order 43): 2170,2915 5585,2915 5585,394.95 2170,394.95
AGND4 on Ground "AGND4" (solid, remove dead copper, shelved, pour order 38): 155,1142.86 2090,1142.86 2090,677.86 155,677.86 155,1142.86
AGND3 on Ground "AGND3" (solid, remove dead copper, shelved, pour order 33): 155,1640.21 2090,1640.21 2090,1160.21 155,1160.21 155,1640.21
AGND1 on Ground "AGND1" (solid, remove dead copper, shelved, pour order 26): 155,2640.21 2090,2640.21 2090,2160.21 155,2160.21 155,2640.21
AGND2 on Ground "AGND2" (solid, remove dead copper, shelved, pour order 29): 155,2140.21 2090,2140.21 2090,1660.21 155,1660.21 155,2140.21
AGND2 on Top Layer "AGND2" (solid, remove dead copper, shelved, pour order 45): 145,2140 2090,2140 2090,1655.73 2085.73,1660 145,1660 145,2140
AGND1 on Top Layer "AGND1" (solid, remove dead copper, shelved, pour order 25): 145,2640 2090,2640 2090,2155.73 145.73,2155.73 145,2155 145,2640
DGND on Top Layer "DGND" (solid, remove dead copper, shelved, pour order 44): 2105,2915 5585,2915 5585,395 2105,395 2105,2915
AGND4 on Top Layer "AGND4" (solid, remove dead copper, shelved, pour order 42): 155,1145.21 2090,1145.21 2090,680.21 160,680.21 155,675.21 155,1145.21
AGND3 on Top Layer "AGND3" (solid, remove dead copper, shelved, pour order 39): 155,1640.21 2090,1640.21 2090,1155.21 2085,1160.21 155,1160.21 155,1640.21
AGND4 on Bottom Layer "AGND4" (solid, remove dead copper, shelved, pour order 41): 2095,1145.21 2090,1140.21 155,1140.21 155,675.21 2095,675.21 2095,1140.21
AGND3 on Bottom Layer "AGND3" (solid, remove dead copper, shelved, pour order 40): 155,1640.21 2090,1640.21 2090,1160.21 2085,1165.21 155,1165.21 155,1640.21
AGND2 on Bottom Layer "AGND2" (solid, remove dead copper, shelved, pour order 37): 155,2140.21 2090,2140.21 2090,1665.21 2095,1660.21 2090,1665.21 155,1665.21 155,2140.21
AGND1 on Bottom Layer "AGND1" (solid, remove dead copper, shelved, pour order 32): 155,2640.21 2090,2640.21 2090,2165.21 2095,2160.21 2090,2155.21 155,2155.21
1.2VD on Bottom Layer "1.4V" (solid, remove dead copper, shelved, pour order 24): 4845,1235 4030,1235 4030,1945.58 4028.2,1947.38 4035.81,1955 4845,1955 4845,1235
DGND on Bottom Layer "DGND" (solid, remove dead copper, shelved, pour order 28): 2105,2905 5575,2905 5575,405 2105,405 2105,2905

## Keep-outs
Keep-Out Layer:
  lines w10: 75,640.05 75,2670 1925,2670 1925,2915 5585,2915 5585,1094.95 5585,395 ; 80,640.05 1925,640.05 1925,394.95 5585,394.95

## Silkscreen, mask and mechanical layers (free items; w line width, h text height)
Top Overlay:
  lines w9.84: 150,660.21 150,696.21 ; 150,1104.21 150,1150.21 150,1195.21 ; 150,1604.21 150,1650.21 150,1695.21 ; 150,2104.21 150,2150.21 150,2195.21 ; 150,2604.21 150,2650.21 ; 740,805.21 837.5,805.21 892.5,805.21 910,805.21 910,955.21 740,955.21 740,805.21 ; 740,1320.21 837.5,1320.21 892.5,1320.21 910,1320.21 910,1470.21 740,1470.21 740,1320.21 ; 740,1820.21 740,1970.21 910,1970.21 910,1820.21 892.5,1820.21 837.5,1820.21 740,1820.21 ; 745,2315.21 842.5,2315.21 897.5,2315.21 910,2315.21 910,2465.21 745,2465.21 745,2315.21
  lines w10: 150,660.21 2095,660.21 2095,1150.21 ; 150,1150.21 2095,1150.21 ; 150,1650.21 2095,1650.21 ; 150,2150.21 2095,2150.21 ; 150,2650.21 2095,2650.21 2095,2150.21 ; 2095,1150.21 2095,1650.21 ; 2095,1650.21 2095,2150.21
  text "RG_A3" at 3020,2870 h60
  text "RG_A4" at 3230,2870 h60
  text "RG_A1" at 2625,2865 h60
  text "RG_A2" at 2815,2865 h60
  text "INSTR AMP" at 1205,2456.14 h60
  text "A1" at 775,2350.21 h80
  text "INSTR AMP" at 1205,1970.21 h60
  text "FB1" at 2170,1935 h60
  text "A2" at 760,1855.21 h80
  text "INSTR AMP" at 1205,1460.21 h60
  text "FB1" at 2155,1460 h60
  text "A3" at 760,1355.21 h80
  text "INSTR AMP" at 1202.25,954.06 h60
  text "A4" at 760,840.21 h80
  text "Reset" at 3535,750 h60
Bottom Overlay:
  lines w10: 150,1150.21 2095,1150.21 ; 150,1650.21 2095,1650.21 ; 150,2150.21 2095,2150.21 ; 150,675.21 2095,675.21 2095,2650.21 150,2650.21 150,675.21
  text "Sr.Design Fall 2015" at 3785,2320 h60
  text "Jacob Easterling" at 3790,2210 h60
  text "Garrett Smith" at 3785,2115 h60
  text "Passive Sonar Rev. 1" at 3785,2040 h60

## Text inside footprints (layer, text, board x,y; h text height)
U6: Top Overlay "<-1" at 4051,1046 h60 r90